# Altium PCB PCB1.PcbDoc (part 2 of 2)
Units mm, origin at the board's own origin, x right, y up, seen from the top; angles counter-clockwise.
Board outline 93.4 x 94.2 mm, 4 copper layers (Top Layer, Ground, Power, Bottom Layer), stack 1.369 mm thick; 127 components, 87 nets, 451 pads, 110 vias.
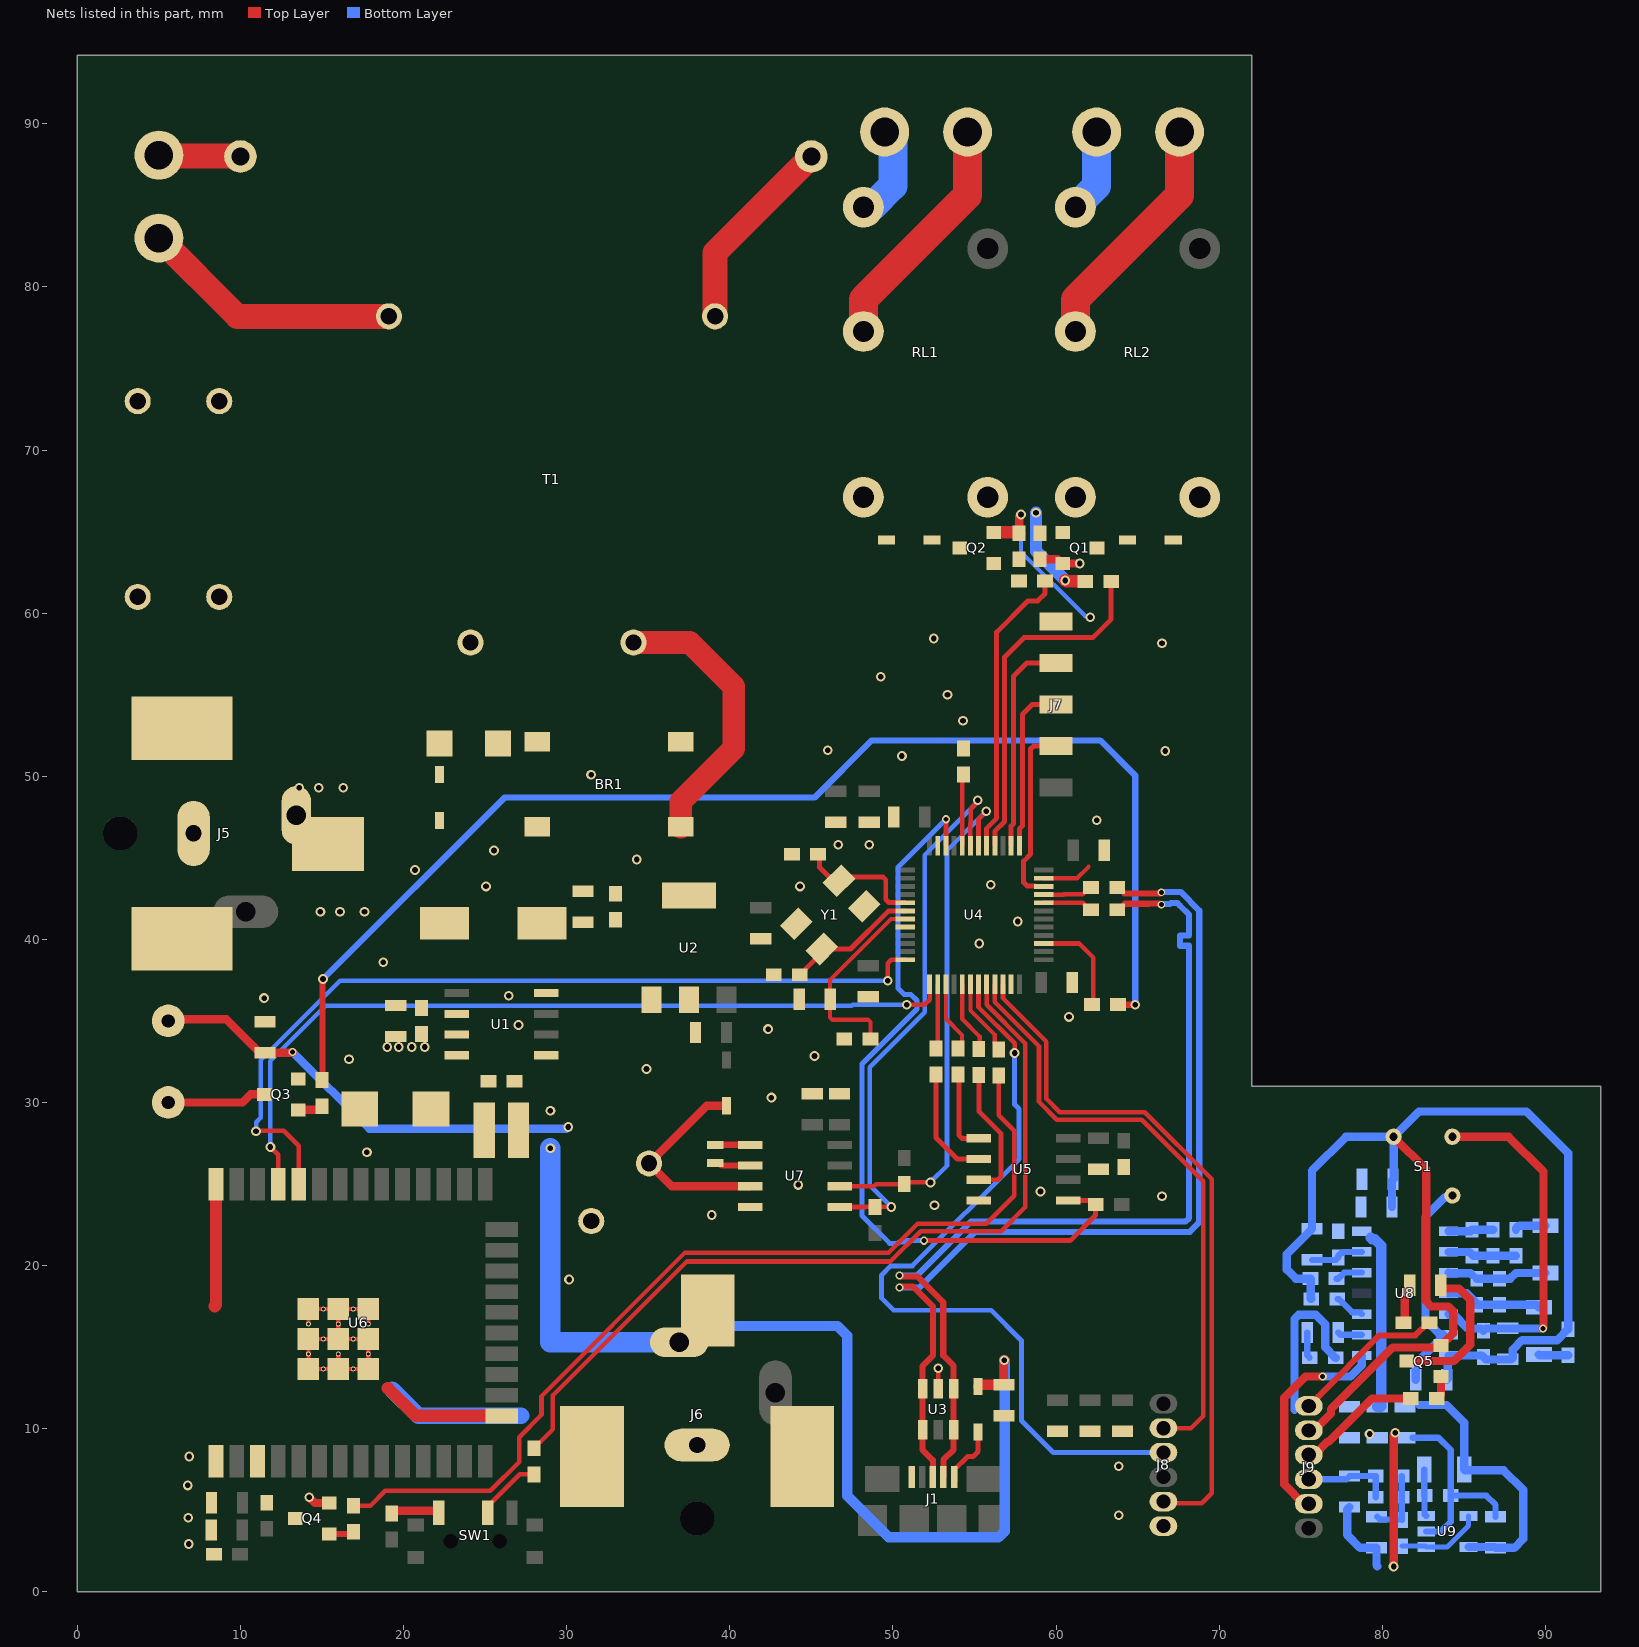
[diagram p4: the nets of this part, all layers, seen from the top]

## Via types
v1: diameter 0.6, hole 0.35, Top Layer to Bottom Layer, tented both sides, 101 vias
v2: diameter 0.5, hole 0.3, Top Layer to Bottom Layer, tented both sides, 7 vias
v3: diameter 0.45, hole 0.3, Top Layer to Bottom Layer, tented both sides, 2 vias

## Nets (pads, with @x,y where several pads share a name; then routed paths per layer and width w, separated by ;. In a path a pad name is that pad's centre, name@x,y a point inside that pad or via, vN(x,y) a via of type N, cw(c..) or ccw(c..) an arc to the next point about the centre after c; other vN are vias at no path point) (continued)
"3V3 DC_S": C34.2 C35.2 C42.2 C45.2 C46.2 C47.2 J9.1 R23.1 R24.2 R26.2 RT1.2 U8.14 U9.5 | length 47.4
  Top Layer w0.381: J9.1@75.5,11.4 75.528,11.4 76.072,11.944 76.072,11.972 79.822,15.722 82.033,15.722 82.811,16.5 R24.2@82.9,16.5
  Bottom Layer w0.508: 74.618,11.162 74.618,16.729 74.871,16.982 75.929,16.982 76.502,16.408 76.502,14.998 R26.2@77.15,14.35 ; 82.267,11.45 83.95,11.45 85.025,10.375 RT1.2@85.025,7.5 85.075,7.45 87.45,7.45 88.64,6.26 88.64,3.24 88.1,2.7 C42.2@86.95,2.7 86.9,2.75 U9.5@85.3,2.75
  Bottom Layer w0.635: 79.3,21.7 79.375,21.625 79.535,21.625 79.95,21.21 79.95,11.383 79.917,11.35 C46.2@79.7,11.35
"5V DC": BZ1.2 C3.2 C6.1 C8.2 C9.2 C16.2 D3.C J6.1 L1.2 U1.4 U2.1 | length 92.5
  Top Layer w0.508: BZ1.2@5.573,35.006 5.667,35.1 9.15,35.1 11.2,33.05 C16.2@11.5,33.05 13.15,33.05 v2(13.2,33.1) ; C3.2@56.814,12.703 v1@56.814,14.189
  Top Layer w0.635: D3.C@55.225,12.6 55.328,12.703 C3.2@56.814,12.703 ; v1@56.814,14.189 v1(56.825,14.2)
  Bottom Layer w0.508: v2(13.2,33.1) 17.9,28.4 29.975,28.4 30.075,28.5 v1(30.1,28.5)
  Bottom Layer w0.635: J6.1@36.9,15.3 37.754,15.3 38.754,16.3 46.6,16.3 47.2,15.7 47.2,5.9 49.75,3.35 56.478,3.35 56.85,3.722 56.85,14.175 v1(56.825,14.2)
  Bottom Layer w1.27: v1(29,27.2) 29,15.3 J6.1@36.9,15.3
  other v1: 29,29.5
"12V DC": C4.2 C5.2 D1.C D2.C D8.C J5.1 RL1.5 RL2.4 U1.7
  other v1: 19,33.4 19.7,33.4 20.5,33.4 21.3,33.4 14.9,41.7 16.1,41.7 17.6,41.7 13.6,49.3 14.8,49.3 16.3,49.3
AC_LINE_1: J2.1 R1.1 | length 5
  Top Layer w1.524: J2.1@5,88.08 5.04,88.04 9.96,88.04 R1.1@10,88
AC_LINE_2: J2.2 T1.5 | length 16.1
  Top Layer w1.524: J2.2@5,83 9.8,78.2 T1.5@19.1,78.2
BUZZER: R8.1 R12.2 | length 78.1
  Top Layer w0.381: R8.1@15,31.375 15.034,31.409 15.034,37.543 v1(15.067,37.576) ; R12.2@63.8,36 v1(64.852,36)
  Bottom Layer w0.381: v1(15.067,37.576) 26.191,48.7 45.2,48.7 48.7,52.2 62.7,52.2 64.852,50.048 v1(64.852,36)
GND: BR1.4 C1.2 C2.2 C3.1 C4.1 C5.1 C6.2 C8.1 C9.1 C10.1 C11.1 C12.1 C13.1 C14.1 C15.1 C16.1 C17.1 C18.2 C19.1 C20.1 C21.1 C22.1 C23.1 C24.1 C25.1 C26.1 C27.1 C28.1 C29.1 C30.1 C31.1 C32.2 D4.A J1.5 J5.2 J5.3 J6.2 J6.3 J7.5 J8.6 Q1.2 Q2.2 Q3.2 Q4.2 R4.1 R5.1 R10.1 R11.1 U1.6 U2.2 U3.2 U4.8 U4.23 U4.35 U4.47 U5.4 U6.1 U6.15 U6.38 U6.39 U7.4 Y1.2 Y1.4 | length 62.2
  Top Layer w0.254: U6.39@14.165,16.417 U6.39@14.165,17.335 U6.39@15.082,17.335 U6.39@16,17.335 ; U6.39@16,14.582 U6.39@16,13.665 ; U6.39@17.835,16.417 U6.39@17.835,17.335 U6.39@16.917,17.335 U6.39@16,17.335 ; U3.2@52.78,12.46 v1@52.78,13.702 ; U4.35@59.254,43.746 U4.35@59.25,43.75 61.3,43.75 62,44.45 ; U6.39@16,13.665 U6.39@16.917,13.665 U6.39@17.835,13.665 U6.39@17.835,14.582 U6.39@17.835,15.5 U6.39@16.917,15.5 U6.39@16,15.5 ; U6.39@16,13.665 U6.39@15.082,13.665 U6.39@14.165,13.665 U6.39@14.165,14.582 U6.39@14.165,15.5 U6.39@15.082,15.5 U6.39@16,15.5 ; U6.39@16,15.5 U6.39@16,16.417 U6.39@16,17.335
  Top Layer w0.508: v1(14.213,5.795) 14.558,5.45 Q4.2@15.45,5.45 ; R4.1@57.741,64.9 57.741,65.941 v1(57.85,66.05) ; R5.1@59.012,63.3 60.112,63.3 60.362,63.05 Q1.2@60.412,63.05 v1(61.45,63.05)
  Top Layer w0.762: 8.418,17.507 8.5,17.589 U6.38@8.5,25 ; 19.032,12.474 19.062,12.474 20.752,10.785 U6.15@26.01,10.785 ; Q2.2@56.191,64.95 57.691,64.95 R4.1@57.741,64.9
  Bottom Layer w0.254: v1(57.85,66.05) 57.85,63.76 61.793,59.816 62.034,59.816 v1(62.1,59.75)
  Bottom Layer w1.016: 19.3,12.4 20.9,10.8 27.2,10.8
  other v1: 6.832,2.928 6.802,4.544 63.85,4.7 6.771,6.527 63.85,7.7 6.863,8.296 52.785,13.708 30.15,19.15 38.9,23.1 52.55,23.7 66.5,24.25 59.05,24.55 44.2,24.95 17.75,26.95 42.55,30.3 34.9,32.05 16.65,32.65 45.2,32.85 42.35,34.5 27.05,34.75 60.8,35.25 11.45,36.4 26.45,36.55 18.75,38.6 55.3,39.75 57.65,41.1 25.05,43.25 44.3,43.25 56,43.35 20.7,44.25 34.3,44.9 25.55,45.45 46.65,45.8 48.55,45.8 62.5,47.3 31.5,50.1 50.55,51.25 66.7,51.55 46,51.6 54.3,53.4 53.35,55 49.25,56.1 66.5,58.15 52.5,58.45
GND_S: C34.1 C35.1 C37.1 C40.1 C41.1 C42.1 C43.2 C44.1 C45.1 C46.1 C47.1 J9.2 Q5.2 R30.1 R31.1 R32.1 R33.1 R37.1 S1.3 U8.7 U9.2 | length 104.6
  Top Layer w0.508: J9.2@75.5,9.9 75.833,9.9 76.858,10.926 76.858,11.195 80.645,14.982 83.482,14.982 Q5.2@83.6,15.1 84.35,15.85 84.35,17.202 84.052,17.5 82.998,17.5 82.7,17.798 82.7,25.9 S1.3@80.7,27.9 ; v1(80.7,1.55) 80.7,9.625 80.8,9.725 v1(80.8,9.75)
  Bottom Layer w0.381: C47.1@81.85,9.45 83.45,9.45 84.2,8.7 R37.1@84.2,5.9 ; U9.2@82.7,3.7 83.6,3.7 84.2,4.3 R37.1@84.2,5.9 ; C42.1@86.95,4.6 86.95,5.331 86.381,5.9 R37.1@84.2,5.9
  Bottom Layer w0.508: R30.1@75.65,17.95 75.625,17.975 75.625,19.175 R31.1@75.6,19.2 74.7,19.2 74.15,19.75 74.15,20.7 C37.1@75.7,22.25 75.7,25.833 77.768,27.9 S1.3@80.7,27.9 ; C44.1@78,5.2 77.85,5.05 77.85,3.5 78.65,2.7 C43.2@79.65,2.7 79.65,1.625 79.7,1.575 79.7,1.55 ; C34.1@80.6,23.6 80.6,25.23 C35.1@80.662,25.292 80.7,25.33 S1.3@80.7,27.9 ; C40.1@83.95,13 84.018,13.068 84.018,13.904 84.06,13.946 U8.7@84.06,14.49 86.11,14.49 R32.1@86.2,14.4 86.35,14.25 C41.1@87.7,14.25 87.908,14.25 88.004,14.346 88.004,14.854 88.582,15.432 90.732,15.432 R33.1@91.4,16.1 91.4,26.9 88.85,29.45 82.25,29.45 S1.3@80.7,27.9
  other v1: 79.227,9.673
LED_S: J9.3 R29.1 | length 7.7
  Top Layer w0.508: J9.3@75.5,8.4 75.845,8.4 76.659,9.214 76.734,9.214 79.37,11.85 R29.1@81.75,11.85
LIGHT_1_GND: J3.2 RL1.3 | length 5.2
  Bottom Layer w1.778: RL1.3@48.69,84.89 49.995,86.195 J3.2@49.995,89.5
LIGHT_1_VCC: J3.1 RL1.2 | length 14.9
  Top Layer w1.778: RL1.2@48.19,77.27 48.19,79.228 54.575,85.613 J3.1@54.575,89.5
LIGHT_2_GND: J4.2 RL2.3 | length 5.2
  Bottom Layer w1.778: RL2.3@61.19,84.89 62.495,86.195 J4.2@62.495,89.5
LIGHT_2_VCC: J4.1 RL2.2 | length 14.9
  Top Layer w1.778: RL2.2@61.19,77.27 61.19,79.228 67.575,85.613 J4.1@67.575,89.5
MCU_N: R6.1 U4.32 | length 3.1
  Top Layer w0.279: U4.32@59.25,42.25 60.47,42.25 ; 60.47,42.237 60.777,42.237 60.785,42.245 61.643,42.245 61.822,42.067 61.822,42.057 62.063,41.815 R6.1@62.152,41.815
MCU_P: R7.1 U4.33 | length 3.1
  Top Layer w0.279: U4.33@59.25,42.75 60.47,42.75 ; 60.47,42.763 60.779,42.763 60.783,42.758 61.643,42.758 61.822,42.937 61.822,42.947 62.063,43.188 R7.1@62.152,43.188
NetBR1_1: BR1.1 T1.9 | length 17.2
  Top Layer w1.397: T1.9@34.1,58.2 37.54,58.2 40.242,55.498 40.242,51.703 37,48.461 BR1.1@37,46.895
NetBR1_2: BR1.2 T1.7
NetBR1_3: BR1.3 F1.2
NetBZ1_1: BZ1.1 Q3.3 | length 6.1
  Top Layer w0.508: BZ1.1@5.573,30.006 10.125,30.006 10.619,30.5 Q3.3@11.45,30.5
NetC1_1: C1.1 C2.1 D8.A F1.1
NetC7_1: C7.1 U1.1
NetC7_2: C7.2 D4.C L1.1 U1.8
NetC15_2: C15.2 U4.5 Y1.3 | length 7.9
  Top Layer w0.305: C15.2@45.409,45.219 45.498,45.13 45.498,44.417 46.328,43.586 Y1.3@46.695,43.586 46.937,43.829 49.384,43.829 49.562,43.65 49.562,42.448 49.741,42.27 50.192,42.27 50.212,42.25 U4.5@50.75,42.25
NetC17_2: C17.2 U4.6 Y1.1 | length 8.3
  Top Layer w0.305: C17.2@44.292,37.836 44.381,37.836 44.622,38.077 44.622,38.166 45.634,39.177 Y1.1@45.634,39.414 47.405,39.414 49.741,41.75 U4.6@50.75,41.75
NetC32_1: C32.1 D5.C U7.3 | length 13
  Top Layer w0.508: D5.C@39.8,29.8 38.575,29.8 C32.1@35.042,26.268 36.445,24.865 U7.3@41.25,24.865
NetC33_1: C33.1 R25.1 R27.2 U8.2 | length 4.2
  Bottom Layer w0.508: U8.2@84.06,20.84 85.26,20.84 85.271,20.829 85.36,20.829 85.589,20.6 C33.1@86.8,20.6 ; C33.1@86.8,20.6 R27.2@88.2,20.6
NetC33_2: C33.2 R25.2 U8.1 | length 2.8
  Bottom Layer w0.508: U8.1@84.06,22.11 85.41,22.11 R25.2@85.5,22.2 C33.2@86.8,22.2
NetC36_1: C36.1 C38.2 R28.2 U8.3 | length 5.9
  Bottom Layer w0.508: U8.3@84.06,19.57 84.096,19.534 85.412,19.534 R28.2@85.517,19.429 ; R28.2@85.8,19.2 C38.2@87.2,19.2 87.848,19.2 88.198,19.55 C36.1@90,19.55
NetC36_2: C36.2 R27.1 | length 2
  Bottom Layer w0.508: R27.1@88.2,22.2 88.2,22.289 88.34,22.429 88.429,22.429 88.45,22.45 C36.2@90,22.45
NetC37_2: C37.2 R23.2 U8.13 | length 3.3
  Bottom Layer w0.381: C37.2@75.7,20.35 77.15,20.35 R23.2@77.3,20.5 77.3,20.589 77.503,20.792 77.592,20.792 77.64,20.84 U8.13@78.74,20.84
NetC38_1: C38.1 C39.2 R28.1 U8.4 | length 5.9
  Bottom Layer w0.508: U8.4@84.06,18.3 85.189,18.3 85.8,17.689 R28.1@85.8,17.6 C38.1@87.2,17.6 89.45,17.6 C39.2@89.6,17.45
NetC39_1: C39.1 R33.2 | length 1.8
  Bottom Layer w0.508: C39.1@89.6,14.55 89.65,14.5 R33.2@91.4,14.5
NetC40_2: C40.2 S1.1 U8.6 | length 13.5
  Bottom Layer w0.508: C40.2@82.05,13 82.05,13.971 83.724,15.645 83.724,15.796 83.504,15.796 82.65,16.65 82.65,23 83.856,24.206 84.206,24.206 S1.1@84.3,24.3
NetC41_2: C41.2 R32.2 S1.2 U8.5 | length 22.4
  Top Layer w0.508: S1.2@84.3,27.9 87.75,27.9 89.882,25.768 89.882,16.182 v2(89.85,16.15)
  Bottom Layer w0.508: U8.5@84.06,17.03 84.096,16.994 84.396,16.994 85.24,16.15 86.06,16.15 R32.2@86.2,16.01 ; R32.2@86.2,16 R32.2@86.2,16.01 ; v2(89.85,16.15) C41.2@87.7,16.15 86.34,16.15 R32.2@86.2,16.01
NetC43_1: C43.1 R34.1 R35.2 R36.1 | length 4.3
  Bottom Layer w0.381: C43.1@79.7,4.6 79.859,4.441 81.16,4.441 R35.2@81.2,4.4 R36.1@81.2,5.8 R34.1@81.2,7.1
NetD1_A: D1.A Q1.3 RL2.5
NetD2_A: D2.A Q2.3 RL1.4
NetD3_A: D3.A J1.1 | length 3.8
  Top Layer w0.305: J1.1@53.8,6.749 53.8,7.512 54.588,8.3 54.925,8.3 55.225,8.6 D3.A@55.225,9.8
NetD6_A: D6.A R24.1 | length 2.5
  Top Layer w0.508: R24.1@81.3,16.5 81.389,16.589 81.389,18.189 81.7,18.5 D6.A@81.7,18.8
NetD6_C: D6.C Q5.3 | length 9.3
  Top Layer w0.508: Q5.3@81.5,14.15 84.4,14.15 85.4,15.15 85.4,17.9 84.7,18.6 83.696,18.6 83.6,18.696 D6.C@83.6,18.8
NetD7_A: D7.A R26.1 | length 1.6
  Bottom Layer w0.381: D7.A@75.4,15.9 75.4,14.5 R26.1@75.55,14.35
NetD7_C: D7.C U8.9 | length 1.5
  Bottom Layer w0.381: D7.C@77.3,15.9 77.44,15.76 U8.9@78.74,15.76
NetJ7_2: J7.2 U4.34 | length 11.3
  Top Layer w0.305: U4.34@59.25,43.25 58.719,43.25 58.699,43.27 58.234,43.27 58.015,43.489 58.015,44.798 58.438,45.221 58.438,51.671 58.617,51.85 J7.2@59.99,51.85
NetJ7_3: J7.3 U4.37 | length 10.4
  Top Layer w0.305: U4.37@57.75,45.75 57.75,46.766 57.95,46.966 57.95,53.802 58.548,54.4 J7.3@60,54.4
NetJ7_4: J7.4 U4.38 | length 13.4
  Top Layer w0.305: U4.38@57.25,45.75 57.249,46.947 57.401,47.1 57.401,56.15 58.191,56.94 J7.4@60,56.94
NetJ8_2: J8.2 U4.21 | length 37.6
  Top Layer w0.279: U4.21@56.25,37.25 56.25,36.165 58.956,33.459 58.956,30.043 60.049,28.95 65.25,28.95 69.022,25.179 69.022,10.778 68.277,10.034 J8.2@66.584,10.034
NetJ8_3: J8.3 U4.19 | length 48.6
  Top Layer w0.279: U4.19@55.25,37.25 55.25,35.847 57.462,33.635 v1(57.462,33.032)
  Bottom Layer w0.305: v1(57.462,33.032) 57.462,29.877 57.737,29.603 57.737,26.528 51.192,19.984 49.874,19.984 49.288,19.398 49.288,18.026 50.05,17.263 56.028,17.263 57.889,15.402 57.889,10.492 59.848,8.534 J8.3@66.584,8.534
NetJ8_5: J8.5 U4.22 | length 42.8
  Top Layer w0.279: U4.22@56.75,37.25 56.75,36.396 59.414,33.732 59.414,30.232 60.238,29.407 65.439,29.407 69.54,25.307 69.54,6.039 68.93,5.429 J8.5@66.584,5.429
NetJ9_5: J9.5 U8.8 | length 13.5
  Top Layer w0.508: J9.5@75.5,5.4 75.183,5.4 74,6.583 74,11.9 75.3,13.2 v2(76.35,13.2)
  Bottom Layer w0.508: v2(76.35,13.2) 78.05,13.2 78.74,13.89 U8.8@78.74,14.49
NetQ1_1: Q1.1 R3.2 R5.2 | length 6.1
  Top Layer w0.762: v1(60.573,62.007) 60.634,61.945 R3.2@61.786,61.945
  Bottom Layer w0.762: v1(58.773,66.155) 58.773,63.806 v1(60.573,62.007)
NetQ2_1: Q2.1 R2.2 R4.2
NetQ3_1: Q3.1 R8.2 | length 1.6
  Top Layer w0.508: Q3.1@13.55,29.55 14.86,29.55 15,29.69 R8.2@15,29.775
NetQ4_1: Q4.1 R22.2 | length 1.5
  Top Layer w0.381: Q4.1@15.45,3.55 16.794,3.55 R22.2@16.927,3.683
NetQ5_1: Q5.1 R29.2 | length 1.5
  Top Layer w0.508: R29.2@83.35,11.85 83.439,11.85 83.579,11.99 83.579,12.079 83.6,12.1 Q5.1@83.6,13.2
NetR1_2: R1.2 T1.1 | length 12.2
  Top Layer w1.524: T1.1@39.1,78.2 39.1,82.1 R1.2@45,88
NetR2_1: R2.1 U4.41 | length 18.1
  Top Layer w0.305: U4.41@55.75,45.75 55.75,46.814 56.364,47.427 56.364,58.835 58.285,60.756 58.884,60.756 59.33,61.201 R2.1@59.33,61.976
NetR3_1: R3.1 U4.40 | length 21.6
  Top Layer w0.305: U4.40@56.25,45.75 56.25,46.631 56.852,47.233 56.852,57.309 58.042,58.499 62.251,58.499 63.386,59.635 R3.1@63.386,61.945
NetR9_1: R9.1 U4.18 | length 4.5
  Top Layer w0.254: U4.18@54.75,37.25 54.75,35.652 56.242,34.16 56.242,33.608 56.327,33.522 R9.1@56.478,33.522
NetR11_2: R11.2 U4.44 | length 4.4
  Top Layer w0.254: U4.44@54.25,45.75 R11.2@54.25,50.104
NetR12_1: R12.1 U4.27 | length 6.3
  Top Layer w0.279: U4.27@59.25,39.75 61.419,39.75 62.281,38.887 62.281,36.081 R12.1@62.2,36
NetR14_1: R14.1 U5.1 | length 5
  Top Layer w0.305: R14.1@53.985,31.713 54.046,31.652 54.046,27.995 54.236,27.805 U5.1@55.25,27.805
NetR15_1: R15.1 U5.2 | length 7
  Top Layer w0.305: R15.1@52.643,31.713 52.643,27.847 53.954,26.535 U5.2@55.25,26.535
NetR16_1: R16.1 U5.3 | length 8.3
  Top Layer w0.305: U5.3@55.25,25.265 56.436,25.265 56.638,25.468 56.638,28.091 55.266,29.463 R16.1@55.266,31.682
NetR20_1: R20.1 SW1.1 | length 3
  Top Layer w0.508: R20.1@19.28,4.808 19.28,4.827 19.42,4.967 22.054,4.967 22.15,4.871 SW1.1@22.15,4.85
NetR21_2: R21.2 SW1.2 | length 4.1
  Top Layer w0.279: SW1.2@25.15,4.85 25.15,5.25 25.36,5.46 25.382,5.46 27.122,7.2 R21.2@28,7.2
NetR30_2: R30.2 U8.10 | length 1.9
  Bottom Layer w0.381: R30.2@77.25,17.95 77.339,17.95 77.542,17.747 78.159,17.13 78.641,17.13 U8.10@78.74,17.03
NetR31_2: R31.2 U8.12 | length 1.7
  Bottom Layer w0.381: R31.2@77.2,19.2 77.289,19.2 77.659,19.57 U8.12@78.74,19.57
NetR35_1: R35.1 U9.1 U9.4 | length 5.2
  Bottom Layer w0.305: R35.1@81.2,2.8 82.65,2.8 U9.1@82.7,2.75 83.983,2.75 85.3,4.067 U9.4@85.3,4.65
NetR37_2: R37.2 RT1.1 U9.3 | length 2.9
  Bottom Layer w0.381: RT1.1@82.575,7.5 82.575,5.925 R37.2@82.6,5.9 82.6,4.75 U9.3@82.7,4.65
NetU7_1: U7.1 Y2.2 | length 2.2
  Top Layer w0.381: Y2.2@39.101,27.39 39.116,27.405 U7.1@41.25,27.405
NetU7_2: U7.2 Y2.1 | length 2.2
  Top Layer w0.381: Y2.1@39.101,26.29 39.351,26.29 39.506,26.135 U7.2@41.25,26.135
NRST: C18.1 R10.2 U4.7 | length 12
  Top Layer w0.254: C18.1@46.151,36.326 46.151,35.224 46.3,35.075 48.475,35.075 48.624,34.926 R10.2@48.624,33.885 ; C18.1@46.151,36.359 46.151,37.513 49.888,41.25 U4.7@50.75,41.25
RTC_SCL: R17.1 U4.42 U7.6 | length 32.1
  Top Layer w0.279: U7.6@46.75,24.865 48.836,24.865 48.971,25 R17.1@50.7,25 50.8,25.1 v1(52.3,25.1) ; U4.42@55.25,45.75 55.25,47.365 55.724,47.838 v1(55.724,47.854)
  Bottom Layer w0.279: v1(52.3,25.1) 53.317,26.117 53.317,45.448 v1(55.724,47.854)
RTC_SDA: R18.1 U4.43 U7.5 | length 35.1
  Top Layer w0.279: U7.5@46.75,23.595 48.295,23.595 48.3,23.6 ; 47.6,23.6 R18.1@48.9,23.6 v1(49.9,23.6) ; U4.43@54.75,45.75 54.75,47.125 54.763,47.138 54.763,48.004 55.206,48.447 v1(55.206,48.534)
  Bottom Layer w0.279: v1(49.9,23.6) 48.579,24.921 48.579,32.17 51.944,35.534 51.944,45.173 55.046,48.275 55.046,48.287 55.206,48.447 v1(55.206,48.534)
SENSOR_ONOFF: R21.1 U4.20 | length 52.1
  Top Layer w0.279: R21.1@28,8.8 29.158,9.958 29.158,12.057 37.353,20.252 49.837,20.252 51.697,22.113 56.638,22.113 58.102,23.577 58.102,33.641 55.75,35.994 U4.20@55.75,37.25
TEMP_ADC: C44.2 J9.4 R34.2 R36.2 | length 5.5
  Bottom Layer w0.381: J9.4@75.5,6.9 77.8,6.9 C44.2@78,7.1 R34.2@79.6,7.1 R36.2@79.6,5.8
TEMP_IN_CS: R15.2 U4.14 | length 3.8
  Top Layer w0.254: R15.2@52.75,33.454 U4.14@52.75,37.25
TEMP_IN_OT: R13.2 U4.46 U5.5 | length 47.4
  Top Layer w0.305: v2(51.916,21.528) 51.921,21.533 60.863,21.533 62.435,23.105 R13.2@62.435,23.753 62.193,23.995 U5.5@60.75,23.995 ; U4.46@53.25,45.75 53.25,47.363 v2(53.253,47.366)
  Bottom Layer w0.305: v2(51.916,21.528) 51.911,21.533 50.832,21.533 50.746,21.446 50.403,21.446 50.326,21.37 49.804,21.37 48.109,23.064 48.109,32.364 51.474,35.729 51.474,36.251 51.1,36.625 50.689,36.625 50.315,36.999 50.315,44.428 v2(53.253,47.366)
TEMP_IN_SCLK: R14.2 U4.15 | length 4.4
  Top Layer w0.254: U4.15@53.25,37.25 53.25,35.136 54.244,34.143 R14.2@54.244,33.279
TEMP_IN_SIO: R16.2 U4.17 | length 4.3
  Top Layer w0.254: U4.17@54.25,37.25 54.25,35.113 55.321,34.042 R16.2@55.321,33.433
USB_N: J1.2 R6.2 U3.1 U3.6 | length 58.4
  Top Layer w0.373: v2(50.4,19.404) 50.434,19.404 50.498,19.341 51.497,19.341 53.089,17.749 53.089,14.491 53.725,13.855 U3.1@53.725,12.455 53.725,8.713 53.1,8.088 J1.2@53.1,7.037 ; R6.2@63.752,41.815 63.841,41.815 64.214,42.188 65.709,42.188 65.713,42.192 66.342,42.192 66.405,42.129 v3(66.459,42.129)
  Bottom Layer w0.373: v2@50.434,19.404 51.494,19.404 54.784,22.694 67.938,22.694 68.156,22.912 68.156,39.424 68.156,39.611 67.598,39.611 67.598,40.238 68.156,40.238 68.156,41.51 67.588,42.078 67.431,42.235 67.058,42.235 66.997,42.174 66.474,42.174 v3@66.459,42.16
USB_P: J1.3 R7.2 U3.3 U3.4 | length 58.4
  Top Layer w0.373: v2(50.4,18.65) 50.434,18.65 50.498,18.713 51.237,18.713 52.461,17.489 52.461,14.491 51.825,13.855 U3.3@51.825,12.455 51.825,8.693 52.45,8.068 J1.3@52.45,7.037 ; R7.2@63.752,43.188 63.841,43.188 64.214,42.815 65.449,42.815 65.453,42.82 66.396,42.82 v3(66.459,42.883)
  Bottom Layer w0.373: v2(50.4,18.65) 51.627,18.65 55.044,22.066 68.198,22.066 68.784,22.652 68.784,41.77 67.64,42.914 v3@66.459,42.914
WIFI_EN: R9.2 R22.1 | length 57.7
  Top Layer w0.279: R22.1@16.927,5.284 17.972,5.284 18.879,6.191 25.315,6.191 27.084,7.96 27.084,9.485 28.456,10.858 28.456,12.002 37.255,20.801 49.739,20.801 51.508,22.57 55.723,22.57 57.432,24.278 57.432,28.273 56.486,29.219 R9.2@56.486,31.652
WIFI_OUT: Q4.3 R19.2 U6.3
WIFI_RXD: U4.12 U6.34 | length 52.5
  Top Layer w0.279: v1(10.95,28.243) 10.98,28.273 12.658,28.273 13.58,27.351 U6.34@13.58,25 ; v1(49.685,37.461) 49.685,38.538 49.896,38.75 U4.12@50.75,38.75
  Bottom Layer w0.279: v1(10.95,28.243) 10.963,28.256 10.963,28.797 11.233,29.067 11.233,32.588 16.107,37.461 v1(49.685,37.461)
WIFI_TXD: U4.13 U6.35 | length 50.7
  Top Layer w0.279: v1(11.834,27.267) 12.31,26.791 U6.35@12.31,25 ; v1(50.844,35.99) 51.941,35.99 52.25,36.298 U4.13@52.25,37.25
  Bottom Layer w0.279: v1(11.834,27.267) 11.834,32.542 15.213,35.922 47.47,35.922 47.538,35.99 v1(50.844,35.99)
pads on no net: J1. J1.4 J5. J5.33 J6. J6.33 J8.4 J9.6 RL1.1 RL2.1 SW1. SW1.3 U1.2 U1.3 U1.5 U4.1 U4.2 U4.3 U4.4 U4.10 U4.11 U4.16 U4.25 U4.26 U4.28 U4.29 U4.30 U4.31 U4.39 U4.45 U5.6 U5.7 U6.4 U6.5 U6.6 U6.7 U6.8 U6.9 U6.10 U6.11 U6.12 U6.13 U6.14 U6.16 U6.17 U6.18 U6.19 U6.20 U6.21 U6.22 U6.23 U6.24 U6.25 U6.26 U6.27 U6.28 U6.29 U6.30 U6.31 U6.32 U6.33 U6.36 U6.37 U7.7 U8.11
copper on no net:
  other v1: 57.7,9.15

## Polygon pours and split planes (outlines as drawn)
"3V3 DC" on Top Layer "Top Layer-3V3 DC" (solid, pour order 17): 43.1,47.1 44.3,48.3 50.796,48.3 51.5,46.6 51.9,46.2 51.9,44.9 52.5,44.9 52.5,48.5 51.1,49.9 44.344,49.9 cw(c7.763,89.299) 40.736,46.835 40.693,46.785 40.24,43.94 38.9,39.841 38.9,32 39.4,31.5 40.5,31.5 41,32 41,40.6 41.5,41.1 42.6,41.1 43.1,41.6 43.1,43.4
GND on Top Layer "GND_L01_P031" (solid, remove dead copper, pour order 31): 4.396,76.15 cw(c2.894,81.73) 2.146,76 cw(c-1.823,78.607) 0.846,74.68 0.846,31.5 6.196,26.15 26.196,26.15 28.796,23.55 28.796,4.5 31.296,2 31.296,1.9 68.146,1.9 70.196,3.95 70.196,4.55 70.196,60.7 52.346,60.7 45.296,53.65 11.996,53.65 5.896,59.75 5.896,74.45 5.496,74.85
GND_S on Top Layer "GND_S_L01_P036" (solid, remove dead copper, pour order 36): 74.065,30.537 92.312,30.537 92.762,30.087 92.762,6.437 87.162,6.387 87.162,0.837 74.063,0.837 72.458,2.436 72.369,29.139
GND on Top Layer "Top Layer-GND" (solid, pour order 39): 8.942,1.348 9.433,1.839 9.433,3.133 9.18,3.385 9.18,9.18 8.98,9.381 11.489,11.89 18.364,11.89 19.584,11.99 19.584,13.11 19.584,17.959 18.243,19.301 13.881,19.301 12.744,18.348 12.448,18.051 6.613,18.051 6.008,17.446 6.008,2.776 7.459,1.325
"5V DC" on Top Layer "Top Layer-5V DC" (solid, pour order 13): 34.9,35 36.2,35 36.5,35.3 36.5,39.8 34.1,42.2 30.6,42.2 30,42.8 26.8,42.8 26.3,42.3 26.3,39.3 27.2,38.4 27.2,36.5 27.8,35.9 30.4,35.9 30.4,30.3 26.3,30.2 26.1,30 26.1,26.5 26.3,26.3 31.7,26.3 33.2,29.921 33.2,36.4 30.1,39.5 30.1,39.6 34.2,39.6 34.2,35.7
NetC1_1 on Top Layer "NETC1_1_L01_P029" (solid, pour order 29): 11.4,73.35 9.5,75.25 7.5,75.25 6.2,73.95 6.2,59.9 14.1,52 19.1,52 19.1,50.65 20.55,49.2 23.3,49.2 23.95,49.85 23.95,52.75 22.5,54.2 16.65,54.2 11.4,59.45 11.4,73.3
NetBR1_2 on Top Layer "NetBR1_2" (solid, pour order 1): 27.2,58.7 26.5,59.8 23.3,60.226 21.3,59.1 21.3,57 22.5,55.8 26.6,55.8 36.044,51.041 36.073,51.029 38.2,51.006 38.2,53.2 35.955,53.2
GND on Bottom Layer "Bottom Layer-No Net" (solid, pour order 35): 4.25,2.9 6.55,0.6 60.1,0.6 60.45,0.95 67.15,0.95 70.15,3.95 70.15,60 69.45,60.7 52.25,60.7 45,53.45 7,53.45 5.9,54.55 5.9,70.55 5.25,74.4 2.7,74.4 0.9,72.6 0.9,37.05 7.341,36.6 10.2,33.534 10.2,26.15 23.85,26.15 26.95,23.05 26.95,9 26.6,8.65 4.8,8.65 4.25,8.1
GND_S on Bottom Layer "GND_S_L04_P037" (solid, remove dead copper, pour order 37): 74.065,30.537 92.312,30.537 92.762,30.087 92.762,1.387 92.212,0.837 74.063,0.837 72.825,2.07 72.733,29.439
GND on Bottom Layer "Top Layer-GND" (solid, pour order 24): 8.942,1.348 9.433,1.839 9.433,3.133 9.18,3.385 9.18,9.18 8.98,9.381 11.489,11.89 18.364,11.89 19.584,11.99 19.584,13.11 19.584,17.959 18.243,19.301 13.881,19.301 12.744,18.348 12.448,18.051 6.613,18.051 6.008,17.446 6.008,2.776 7.459,1.325
"3V3 DC" on Power (split plane): 71.49,31 71.499,30.9 71.518,30.838 71.518,0.51 0.51,0.51 0.51,6.75 8.7,6.75 8.7,26.25 0.51,26.25 0.51,70.2 10.65,70.2 10.65,54.05 44.918,54.05 44.918,53.704 42.377,51.282 19.491,51.282 19.28,51.439 17.631,52.664 16.807,53.276 16.792,53.284 16.779,53.294 16.76,53.302 16.742,53.312 16.726,53.316 16.711,53.322 16.691,53.325 16.671,53.33 16.655,53.33 16.638,53.332 13.75,53.332 13.677,53.322 13.629,53.302 13.609,53.294 13.551,53.249 10.901,50.599 10.856,50.541 10.828,50.473 10.818,50.4 10.818,43.8 10.828,43.727 10.856,43.659 10.901,43.601 13.818,40.683 13.818,35 13.828,34.927 13.856,34.859 13.901,34.801 16.701,32.001 16.759,31.956 16.827,31.928 16.9,31.918 22.95,31.918 23.023,31.928 23.091,31.956 23.149,32.001 23.194,32.059 23.222,32.127 23.232,32.2 23.232,36.05 23.222,36.123 23.194,36.191 23.149,36.249 23.091,36.294 23.023,36.322 22.95,36.332 22.893,36.324 22.174,37.043 22.182,37.1 22.172,37.173 22.144,37.241 22.099,37.299 22.041,37.344 21.973,37.372 21.9,37.382 20.017,37.382 19.482,37.917 19.482,40.3 19.482,45.083 20.617,46.218 42.85,46.218 42.923,46.228 42.991,46.256 43.049,46.301 57.467,60.718 68.4,60.718 68.473,60.728 68.521,60.748 68.541,60.756 68.599,60.801 70.999,63.201 71.044,63.259 71.072,63.327 71.082,63.4 71.082,69.1 71.072,69.173 71.052,69.221 71.044,69.241 70.999,69.299 70.399,69.899 70.341,69.944 70.273,69.972 70.2,69.982 67.6,69.982 67.527,69.972 67.459,69.944 67.401,69.899 66.401,68.899 66.356,68.841 66.328,68.773 66.318,68.7 66.318,64.917 66.083,64.682 52.217,64.682 51.882,65.017 51.882,68.1 51.872,68.173 51.844,68.241 51.799,68.299 50.449,69.649 50.391,69.694 50.323,69.722 50.25,69.732 45.45,69.732 45.45,70.2 71.49,70.2
"12V DC" on Power (split plane): 70.518,68.983 70.518,63.517 68.283,61.282 57.35,61.282 57.277,61.272 57.243,61.258 57.209,61.244 57.151,61.199 42.733,46.782 20.5,46.782 20.427,46.772 20.359,46.744 20.301,46.699 19.001,45.399 18.956,45.341 18.928,45.273 18.918,45.2 18.918,40.3 18.918,40.1 18.918,37.8 18.928,37.727 18.956,37.659 19.001,37.601 19.701,36.901 19.726,36.881 19.759,36.856 19.827,36.828 19.9,36.818 21.9,36.818 21.957,36.826 22.676,36.107 22.668,36.05 22.668,32.482 17.017,32.482 14.382,35.117 14.382,40.8 14.372,40.873 14.344,40.941 14.299,40.999 11.382,43.917 11.382,50.283 13.867,52.768 16.545,52.768 17.295,52.211 18.944,50.986 19.06,50.9 19.05,50.9 19.06,50.9 19.23,50.774 19.244,50.766 19.257,50.756 19.276,50.748 19.294,50.738 19.31,50.734 19.325,50.728 19.346,50.725 19.366,50.72 19.382,50.72 19.398,50.718 42.489,50.718 42.523,50.723 42.556,50.726 42.559,50.727 42.562,50.728 42.593,50.741 42.624,50.753 42.627,50.755 42.63,50.756 42.657,50.776 42.684,50.796 45.394,53.379 45.397,53.382 45.399,53.384 45.42,53.41 45.441,53.436 45.442,53.439 45.444,53.442 45.457,53.473 45.47,53.504 45.471,53.507 45.472,53.51 45.477,53.543 45.482,53.576 45.481,53.58 45.482,53.583 45.482,69.168 50.133,69.168 51.318,67.983 51.318,64.9 51.328,64.827 51.356,64.759 51.401,64.701 51.901,64.201 51.926,64.181 51.959,64.156 52.027,64.128 52.1,64.118 66.2,64.118 66.273,64.128 66.321,64.148 66.341,64.156 66.399,64.201 66.799,64.601 66.844,64.659 66.856,64.687 66.872,64.727 66.882,64.8 66.882,68.583 67.717,69.418 70.083,69.418
"3V3 DC_S" on Power (split plane): 92.89,0.51 72.082,0.51 72.082,30.49 92.89,30.49
"5V DC" on Power (split plane): 29.059,31.906 29.127,31.878 29.2,31.868 29.633,31.868 32.618,28.883 32.618,27.767 27.601,22.749 27.556,22.691 27.528,22.623 27.518,22.55 27.518,18 27.528,17.927 27.548,17.879 27.556,17.859 27.601,17.801 28.701,16.701 28.759,16.656 28.827,16.628 28.9,16.618 35.3,16.618 35.373,16.628 35.441,16.656 35.499,16.701 37.017,18.218 39.183,18.218 40.468,16.933 40.468,14.217 38.683,12.432 28.867,12.432 25.632,15.667 25.632,28.483 29.056,31.908
GND on Ground (split plane): 71.49,31 71.499,30.9 71.518,30.838 71.518,0.51 0.51,0.51 0.51,6.75 8.7,6.75 8.7,26.25 0.51,26.25 0.51,70.2 10.65,70.2 10.65,54.05 45.45,54.05 45.45,70.2 71.49,70.2
GND_S on Ground (split plane): 92.89,0.51 72.082,0.51 72.082,30.49 92.89,30.49

## Keep-outs
Top Layer:
  circle w0.254: c68,33 r1.5
Keep-Out Layer:
  the board outline again, w0.254

## Other copper
Top Layer:
  region: 68,33.5 ccw(c68,33) 67.5,33 ccw(c68,33) 68,32.5 ccw(c68,33) 68.5,33 ccw(c68,33) 68,33.5 68.5,33 ccw(c68,33) 68,33.5
  region net LED_S: 76.4,8.6 75.95,9.05 75,9.05 74.6,8.65 74.6,8.15 75,7.75 76.012,7.75 76.4,8.2
  region net LED_S: 76.4,8.6 75.95,9.05 75,9.05 74.6,8.65 74.6,8.15 75,7.75 76.012,7.75 76.4,8.2
  region net GND_S: 76.4,10.1 75.95,10.55 75,10.55 74.6,10.15 74.6,9.65 75,9.25 76.012,9.25 76.4,9.7
  region net "3V3 DC_S": 75.3,12.3 74.6,11.6 74.6,11.15 75,10.75 76,10.75 76.35,11.1 76.35,11.74 75.7,12.3
  region net "12V DC": 22.955,48.145 22.7,48.4 18.4,48.4 16.426,50.374 15.354,50.829 12.82,50.191 12.3,49.3 11.6,48.1 11.6,47.945 11.6,46.1 12.851,42.604 13.958,41.324 14.009,41.315 18.214,41.358 18.592,42.183 18.608,45.011 20.104,46.5 21.35,46.1 22.5,46.5 23.109,46.797
  region net "3V3 DC": 9.272,9.363 9.272,6.71 9.791,6.191 9.791,3.172 9.516,2.897 9.516,1.769 10.034,1.251 11.003,1.251 11.701,1.586 11.701,2.074 11.346,2.501 11.834,2.989 12.383,2.989 12.383,4.331 12.081,4.633 10.919,4.633 10.919,5.917 10.295,6.541 10.295,9.225 10.156,9.363
  region net WIFI_OUT: 10.529,7.257 10.529,6.723 11.132,6.12 11.132,4.911 11.142,4.911 11.234,4.819 12.261,4.819 12.688,4.392 12.688,3.995 12.841,3.843 13.847,3.843 13.999,3.995 13.999,4.85 12.414,6.435 11.651,6.435 11.651,9.028 11.529,9.15 11.468,9.15 10.736,9.15 11.468,9.15 10.736,9.15 10.543,8.957 10.57,8.546
  region net "12V DC": 68.503,69.083 67.374,67.954 67.1,67.954 66.764,67.618 66.764,65.361 66.368,64.965 66.368,64.05 66.399,64.05 66.795,63.653 68.381,63.653 70.547,65.819 70.547,68.991 70.486,69.052
  region net NetD1_A: 61.64,63.684 62.037,63.287 63.227,63.287 63.745,63.806 65.117,63.806 65.27,63.958 65.27,64.934 64.935,65.27 63.379,65.27 63.104,65.544 62.8,65.849 62.8,67.862 61.946,68.716 60.512,68.716 59.719,67.923 59.719,66.52 60.543,65.697 61.64,65.697 61.763,65.575 61.763,63.562 62.037,63.287
  region net NetQ1_1: 58.408,64.446 58.804,64.05 60.725,64.05 61.092,64.416 61.092,65.331 60.97,65.453 59.734,65.453 59.734,66.2 59.475,66.459 58.529,66.459 58.408,66.338 58.408,65.453
  region net NetQ2_1: 57.919,63.959 55.907,63.959 55.388,63.44 55.388,62.678 55.723,62.342 56.669,62.342 56.669,61.649 56.952,61.314 57.012,61.244 58.163,61.244 58.408,61.488 58.408,63.552
  region net NetD2_A: 51.545,64.965 51.545,64.08 52.429,63.196 54.626,63.196 54.992,63.562 54.992,65.392 55.35,65.75 56.75,65.75 57.65,66.65 57.65,68.437 57.157,68.93 54.839,68.93 53.575,68.93 51.946,67.53 51.745,66.216 51.726,66.135
  region net "12V DC": 50.477,64.233 50.477,67.924 49.532,68.869 47.489,68.869 46.513,67.893 46.512,65.3 47.702,64.111 50.371,64.111 50.472,64.222
  region net "3V3 DC": 58.784,12.963 58.784,12.284 58.784,11.42 58.954,11.104 59.292,10.879 63.593,10.776 64.475,10.868 67.411,10.946 67.847,11.08 68.184,11.537 68.184,12.284 67.884,12.584 66.382,12.584 66.315,12.643 66.236,13.215 65.812,13.584 60.584,13.584 59.476,13.584 59.064,13.413 58.905,13.254
  region net "3V3 DC": 44.7,29.4 47.4,29.4 48,28.8 48,27.2 47.6,26.8 44.9,26.8 44.2,27.5 44.2,28.9
  region net NetC7_1: 30,33.5 30.2,33.3 30.2,30.8 30,30.6 26.3,30.6 26.1,30.8 26.1,32.9 26.7,33.5
  region net NetC7_2: 22.2,33.2 22.2,32.4 21.3,31.5 20.5,31.5 20.2,31.2 20.2,28.2 20.7,27.7 22.8,27.7 24.2,26.3 25.8,26.3 25.8,33.1 25.5,33.4 22.4,33.4
  region net "12V DC": 22.25,34.5 21.65,34.5 21.65,34.6 21.45,34.8 18.85,34.8 18.65,34.6 18.65,33.4 18.65,33.2 18.75,33.1 18.85,33 19.05,33 21.05,33 21.55,33 21.75,33.2 21.75,33.7 22.05,33.7 22.25,33.7 22.35,33.7 24.45,33.7 24.45,34.309 24.45,34.5 24.15,34.5
  region net NetBR1_3: 29.2,53.1 29.1,53.2 24.8,53.2 24.7,53.1 24.7,51 24.8,50.9 29.1,50.9 29.2,51
Bottom Layer:
  region net GND_S: 74.7,10.5 76.5,10.5 77.1,9.9 77.85,10.35 79.7,10.35 81.55,10.35 82.3,9.9 82.513,9.643 82.513,9.25 82.3,8.85 81.95,8.85 81.05,8.45 78.55,8.45 77.25,8.85 76.8,9.3 74.65,9.3 74.45,9.5 74.45,10.25
  region net "3V3 DC_S": 74.525,10.75 82.25,10.75 82.8,11.2 82.8,11.7 82.35,12.05 74.7,12.05 74.35,11.7 74.35,11.1
  region net TEMP_ADC: 76.4,7.1 75.95,7.55 75,7.55 74.6,7.15 74.6,6.65 75,6.25 76.012,6.25 76.4,6.7
  region net "3V3 DC_S": 74.4,11.4 74.4,12.225 74.85,12.375 75.75,11.725
  region net "3V3 DC_S": 76.6,21.7 76.95,21.35 79.2,21.35 79.6,21.75 79.6,26 79.2,26.4 76.95,26.4 76.6,26.05
  region net "3V3 DC_S": 80.6,12.05 80.25,12.4 79.65,12.4 79.3,12.05 79.3,12
  region net "5V DC": 30.2,26.3 29.6,25.6 28.4,25.6 27.7,26.3
  region net "5V DC": 26.1,29.5 25.44,28.755 25.35,28.665 25.35,28.25 26.05,27.55 26.15,27.55
  region net "5V DC": 26.3,30.2 26.1,30 26.1,26.5 26.3,26.3 31.7,26.3 31.9,26.5 31.9,29.7 31.3,30.3
Ground (plane layer: these items are gaps in the copper):
  rectangle: 16.65,14.3 17.2,14.85
  rectangle: 14.85,14.3 15.35,14.8
  rectangle: 15.75,15.25 16.25,15.75
  rectangle: 16.65,16.15 17.2,16.7
  rectangle: 14.8,16.2 15.35,16.65
  rectangle: 0,6.75 8.7,26.25
  rectangle: 10.65,54.05 45.45,72.8
  rectangle: 0,70.2 72.15,94.15
  lines w0.559: 71.8,35.5 71.8,0.15 72,-0.05 ; 91.7,31 91.9,31.2 ; 91.9,0.15 92.1,-0.05
Power (plane layer: these items are gaps in the copper):
  rectangle: 0.05,6.75 8.7,26.25
  rectangle: 10.65,54.05 45.45,72.8
  rectangle: 0,70.2 72.15,94.15
  region: 29.47,51 29.37,50.9 19.05,50.9
  lines w0.305: 21.9,37.1 22.95,36.05
  lines w0.559: 19.2,40.1 19.2,45.2 20.5,46.5 42.85,46.5 57.35,61 68.4,61 70.8,63.4 70.8,69.1 70.2,69.7 67.6,69.7 66.6,68.7 66.6,64.8 66.2,64.4 52.1,64.4 51.6,64.9 51.6,68.1 50.25,69.45 45.2,69.45 45.2,53.583 42.489,51 19.398,51 19.112,51.213 17.463,52.437 ; 19.2,40.3 19.2,37.8 19.9,37.1 21.9,37.1 ; 22.95,36.05 22.95,32.2 16.9,32.2 14.1,35 14.1,40.8 11.1,43.8 11.1,50.4 13.75,53.05 16.638,53.05 17.463,52.437 ; 29,32.25 25.35,28.6 25.35,15.55 28.75,12.15 38.8,12.15 40.75,14.1 40.75,17.05 39.3,18.5 36.9,18.5 35.3,16.9 28.9,16.9 27.8,18 27.8,22.55 32.9,27.65 32.9,29 29.75,32.15 29.2,32.15 ; 71.8,0.15 71.8,35.5 ; 17.463,52.437 17.463,52.437

## Silkscreen, mask and mechanical layers (free items; w line width, h text height)
Top Overlay:
  drawing of 1823 lines, arcs and shapes, not listed
  text "AC" at 5.7,91.8 h0.8
  text "12V" at 14.65,47.85 h0.8
  text "PROG" at 68.5,46.6 h0.8
  text "5V" at 36.6,17.05 h0.8 r90
  text "Wireles_sec_det_v01" at 92.067,15.75 h0.8 r90
  text "SENSOR" at 68.8,14.35 h0.8 r90
Bottom Overlay:
  circle w0.2: c75.4,28.5 r1.166
  lines w0.2: 86.25,23.95 86.55,23.65 ; 87.3,27.175 86.55,27.175 86.55,23.65 ; 86.55,23.65 86.9,23.9 86.55,23.65 ; 84.8,13.6 92.15,13.6 92.15,23 84.8,23 84.8,13.6 ; 87.3,23.65 92.15,23.65 92.15,30.7 87.3,30.7 87.3,23.65
  text "TP_GND" at 76.9,30 h0.6
  text "MAIN" at 73.35,23.45 h0.8 r270
Top Solder:
  region: 68,35 cw(c68,33) 70,33 cw(c68,33) 68,31 cw(c68,33) 66,33 cw(c68,33) 68,35
Bottom Solder:
  region: 75.4,29.5 74.4,28.5 75.4,27.5 76.4,28.5
Drill Guide:
  the board outline again, w0.2
Route Tool Path:
  lines w0.3: 72,4.05 72,4.25 ; 72,4.75 72,4.95 ; 72,5.6 72,5.8 ; 72,6.5 72,6.7 ; 72,12.25 72,12.45 ; 72,12.95 72,13.15 ; 72,13.8 72,14 ; 72,14.7 72,14.9 ; 72,24.2 72,24.4 ; 72,25.1 72,25.3 ; 72,25.95 72,26.15 ; 72,26.65 72,26.85 ; 72.7,4.05 72.7,4.25 ; 72.7,4.75 72.7,4.95 ; 72.7,5.6 72.7,5.8 ; 72.7,6.5 72.7,6.7 ; 72.7,12.25 72.7,12.45 ; 72.7,12.95 72.7,13.15 ; 72.7,13.8 72.7,14 ; 72.7,14.7 72.7,14.9 ; 72.7,24.2 72.7,24.4 ; 72.7,25.1 72.7,25.3 ; 72.7,25.95 72.7,26.15 ; 72.7,26.65 72.7,26.85
  lines w0.7: -0.875,26.175 5.4,26.175 5.4,7.1 -0.375,7.1 -0.375,25.65 4.875,25.65 4.875,7.725 0.2,7.725 0.2,25.225 4.225,25.225 4.225,8.1 0.7,8.1 0.7,24.775 3.55,24.775 3.55,8.65 1.275,8.65 1.275,24.3 3,24.3 3,9.275 1.875,9.275 1.875,24.3 2.6,24.3 2.6,9.825 2.35,9.825 2.35,9.125 2.125,9.125 2.125,24.575 2.325,24.575 ; 3.55,8.25 4.025,8.25 ; 72.35,-0.7 72.35,3.15 ; 72.35,7.5 72.35,11.35 ; 72.35,15.7 72.35,19.55 72.35,23.4 ; 72.35,27.75 72.35,32.1 72.35,95.05 -0.85,95.05 -0.85,-0.875 94.25,-0.875 94.25,31.85 72.6,31.85

## Text inside footprints (layer, text, board x,y; h text height)
BR1: Top Overlay "~" at 36.416,51.654 h1.52 r90; Top Overlay "~" at 36.516,46.354 h1.52 r90
S1: Top Overlay "D" at 82.8,23.6 h1; Top Overlay "S" at 85.2,26.6 h1; Top Overlay "G" at 80.9,28.7 h1
T1: Top Overlay "INPUT" at 17.05,83.65 h1 r180; Top Overlay "OUTPUT" at 37.6,52.75 h1